# Altium PCB 10X SD CARD READER PCB.PcbDoc (part 2 of 4) (continued)
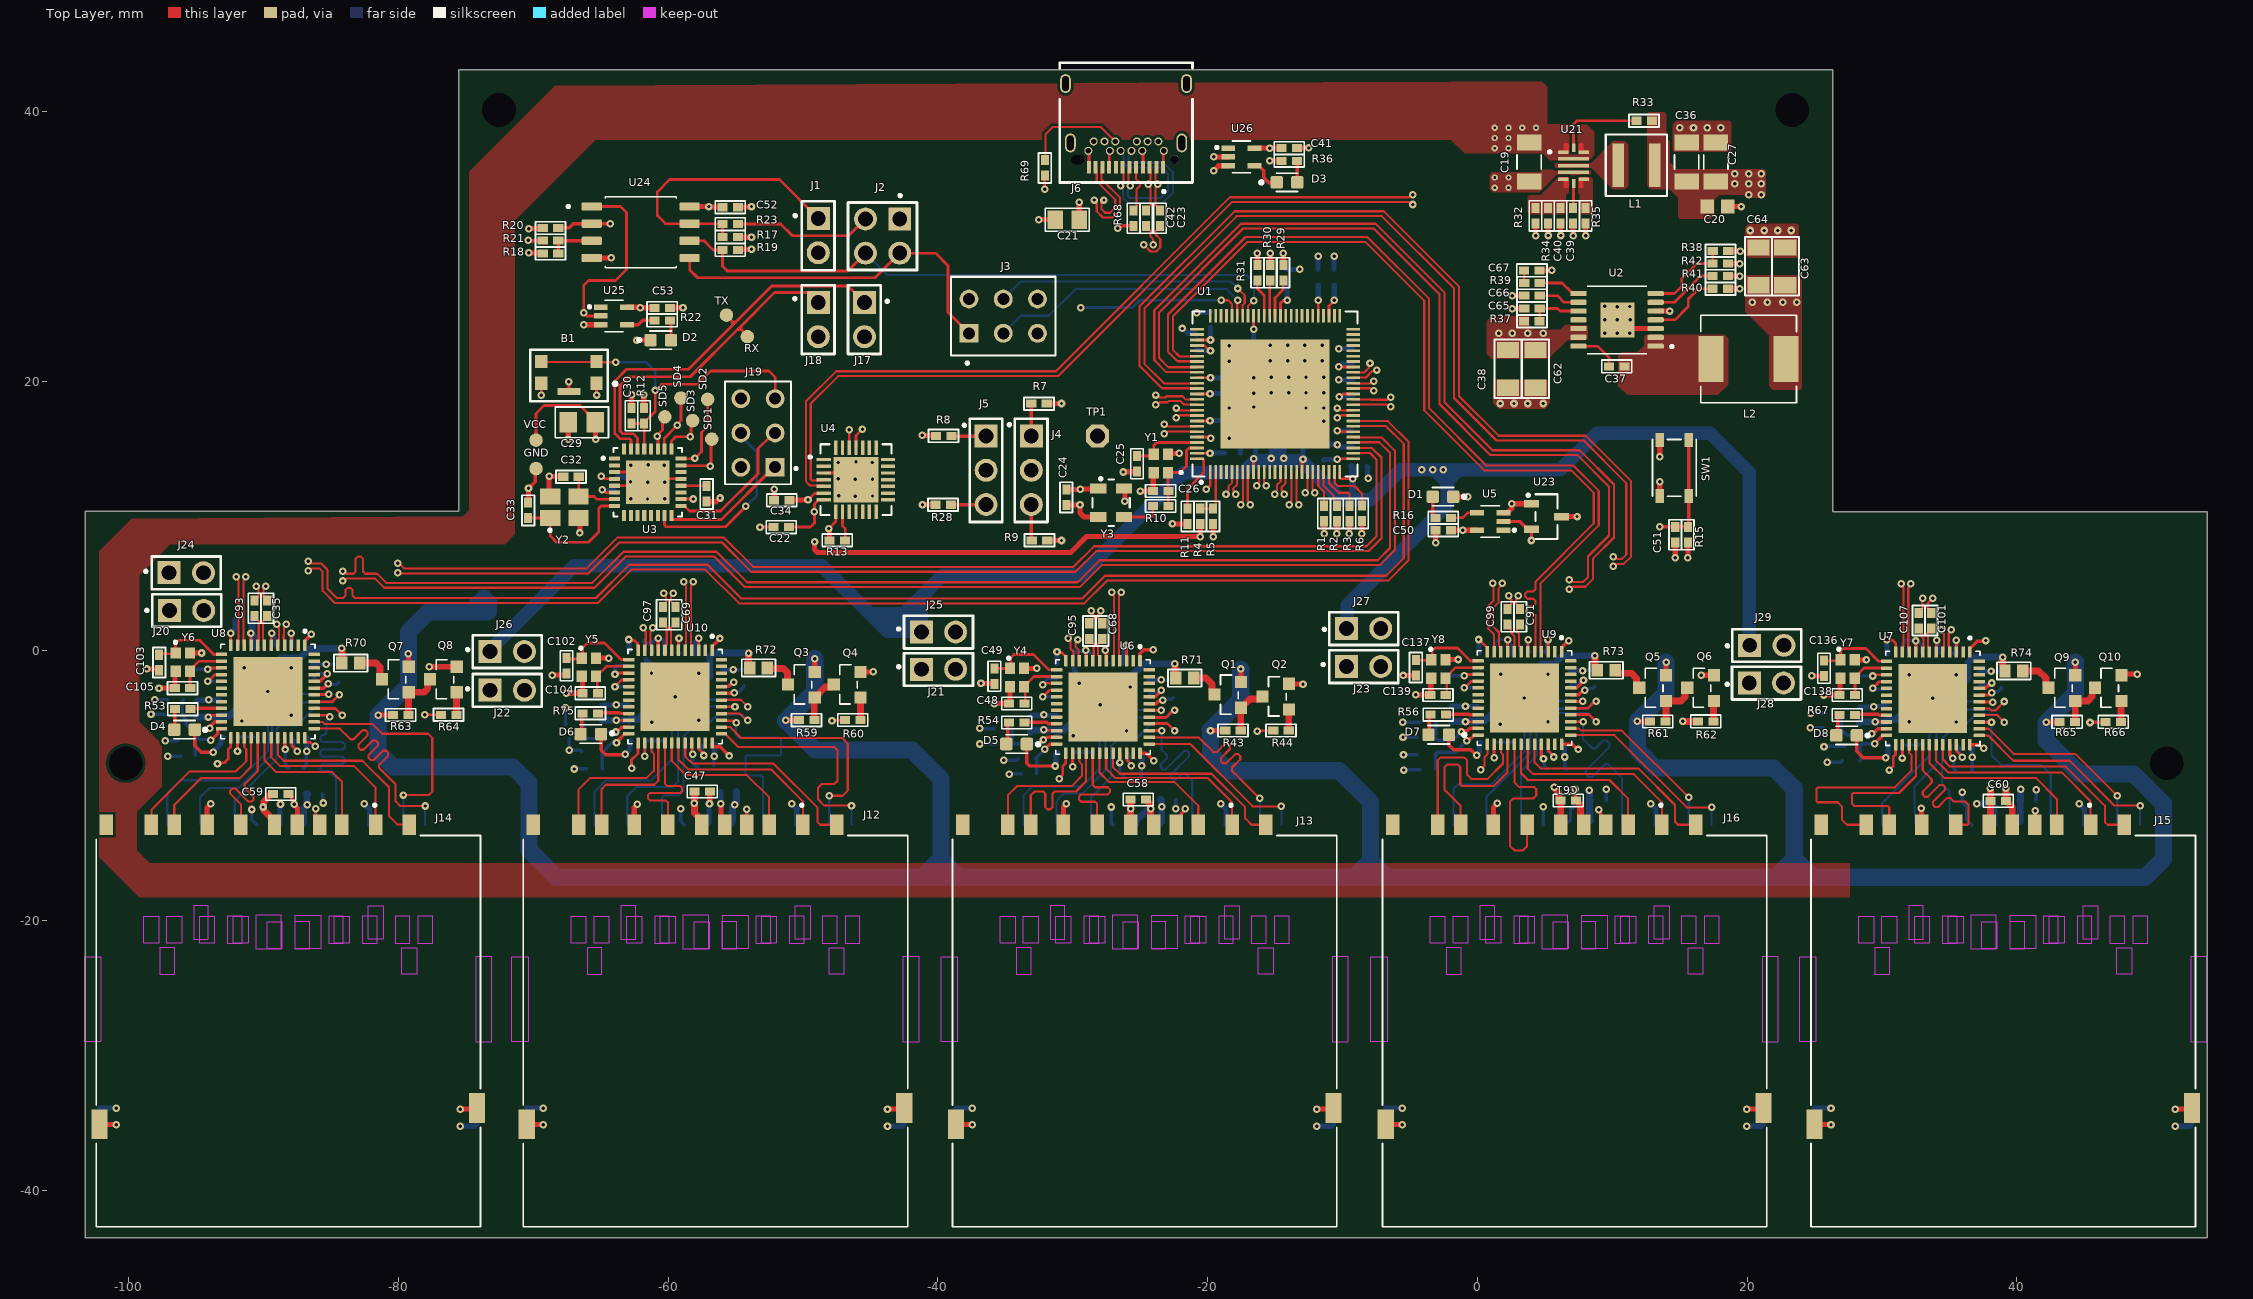
[diagram p0: Top Layer view]
## Nets (pads, with @x,y where several pads share a name; then routed paths per layer and width w, separated by ;. In a path a pad name is that pad's centre, name@x,y a point inside that pad or via, vN(x,y) a via of type N, cw(c..) or ccw(c..) an arc to the next point about the centre after c; other vN are vias at no path point) (continued)
  Bottom Layer w0.381: J9.G2@-102.167,-33.9 -102.158,-33.909 v1(-100.94,-33.909) ; C57.1@-95.501,-0.136 -95.487,-0.15 -94.617,-0.15 v1(-94.603,-0.163) ; C92.1@-94.993,-3.717 -94.942,-3.666 -94.088,-3.666 v1(-94.054,-3.632) -94.02,-3.666 -93.266,-3.666 C90.1@-93.215,-3.717 ; v1(-93.739,-7.515) -93.739,-7.467 -93.165,-6.893 -93.165,-6.558 -93.056,-6.449 C81.1@-92.981,-6.449 ; v1(-92.431,1.302) -92.431,1.35 -92.118,1.663 C79.1@-92.118,2.352 ; R24.1@-91.875,-2.256 -91.8,-2.256 -91.69,-2.147 -91.69,-1.569 -91.437,-1.316 v1(-91.437,-1.267) -91.389,-1.267 -91.313,-1.192 -90.613,-1.192 -90.503,-1.082 C80.1@-90.503,-1.007 ; v1(-91.618,-5.207) -91.601,-5.224 -90.692,-5.224 C78.1@-90.675,-5.241 ; J9.3@-88.842,-12.9 -88.748,-12.806 -88.782,-12.772 -88.782,-11.413 v1(-88.748,-11.379) ; C54.1@-87.944,0.327 -87.94,0.33 -87.94,1.302 v1(-87.937,1.306) ; v1@-87.753,-11.358 v1(-87.732,-11.379) ; C56.1@-86.801,-6.426 -86.794,-6.433 -86.794,-7.435 v1(-86.787,-7.442) ; C55.1@-86.37,-1.031 -86.359,-1.019 -85.379,-1.019 v1(-85.367,-1.007) ; v1(-82.525,-11.345) -82.142,-11.728 J9.6@-82.142,-12.9 ; v1(-75.413,-35.255) -74.322,-35.255 J9.G1@-74.167,-35.1 ; J7.G2@-70.49,-33.9 -70.482,-33.909 v1(-69.263,-33.909) ; C100.1@-64.894,-4.033 -64.884,-4.023 -63.867,-4.023 v1(-63.857,-4.013) -63.847,-4.023 -62.9,-4.023 C98.1@-62.89,-4.033 ; C28.2@-63.833,12.843 -63.798,12.878 -63.183,12.878 -62.841,12.536 v1(-62.793,12.536) ; v1(-63.17,-7.671) -63.17,-7.623 -62.845,-7.298 -62.845,-6.759 C89.1@-62.754,-6.668 ; v1(-62.923,0.838) -62.918,0.833 -62.918,0.011 C74.1@-62.912,0.006 ; R25.1@-61.649,-2.637 -61.574,-2.637 -61.464,-2.528 -61.464,-2.453 -61.239,-2.228 v1(-61.239,-1.648) -61.239,-1.068 -61.462,-0.845 -61.536,-0.845 -61.646,-0.735 C86.1@-61.646,-0.66 ; v1(-61.233,-5.295) -61.199,-5.329 -60.474,-5.329 -60.365,-5.439 C87.1@-60.365,-5.495 ; C88.1@-60.343,-1.388 -60.343,-2.497 -59.489,-3.35 v1(-59.489,-3.398) ; C75.1@-57.935,-0.216 -58.014,-0.137 -58.014,0.602 -57.739,0.876 v1(-57.739,0.925) ; J7.3@-57.165,-12.9 -56.971,-12.706 -56.971,-11.365 v1(-56.937,-11.331) ; v1(-56.59,-7.823) -56.582,-7.816 -56.582,-6.919 C76.1@-56.575,-6.912 ; v1(-56.109,-11.328) -56.091,-11.311 -56.091,-10.453 C106.1@-56.074,-10.436 ; C77.1@-56.004,-1.431 -55.982,-1.41 -55.191,-1.41 v1(-55.169,-1.388) ; v1(-50.848,-11.345) -50.465,-11.728 J7.6@-50.465,-12.9 ; v1(-43.736,-35.255) -42.645,-35.255 J7.G1@-42.49,-35.1 ; J8.G2@-38.667,-33.9 -38.658,-33.909 v1(-37.44,-33.909) ; C94.1@-33.144,-4.86 -33.06,-4.776 -32.169,-4.776 v1(-32.135,-4.742) ; v1@-32.135,-4.775 -32.101,-4.809 -31.163,-4.809 C96.1@-31.112,-4.86 ; v1(-31.293,-8.54) -31.259,-8.506 -31.259,-7.666 -31.149,-7.557 C84.1@-31.115,-7.557 ; C71.1@-31.185,-0.923 -31.178,-0.916 -31.178,-0.09 v1(-31.17,-0.083) ; R14.1@-30.026,-3.399 -29.951,-3.399 -29.841,-3.29 -29.841,-3.215 -29.552,-2.926 -29.552,-2.444 v1(-29.518,-2.41) -29.518,-2.362 -29.786,-2.094 -29.786,-1.481 C82.1@-29.896,-1.372 ; v1(-29.962,-6.308) -29.928,-6.342 -28.776,-6.342 C83.1@-28.734,-6.384 ; C85.1@-28.527,-2.111 -28.527,-3.385 -27.954,-3.958 v1(-27.954,-4.007) ; C70.1@-26.213,-0.939 -26.213,0.176 -26.028,0.361 v1(-26.028,0.409) ; v1(-24.879,-8.528) -24.852,-8.501 -24.852,-7.574 C72.1@-24.825,-7.547 ; C73.1@-24.381,-2.193 -24.359,-2.172 -23.469,-2.172 v1(-23.448,-2.15) ; v1(-21.869,23.901) -21.821,23.901 -21.463,23.543 -20.908,23.543 C3.1@-20.825,23.461 ; v1(-20.793,25.07) -20.772,25.091 -19.872,25.091 -19.851,25.07 C10.1@-19.809,25.112 ; v1(-19.025,-11.345) -18.642,-11.728 J8.6@-18.642,-12.9 ; v1(-18.39,15.774) -17.792,15.774 -17.569,15.551 -17.569,14.695 C1.1@-17.586,14.678 ; v1(-18.39,18.003) -17.792,18.003 -17.562,17.773 -17.562,17.115 C9.1@-17.586,17.091 ; C2.1@-17.586,19.145 -17.562,19.121 -16.593,19.121 v1(-16.569,19.097) ; C14.2@-17.582,20.221 -17.569,20.234 -16.582,20.234 v1(-16.569,20.247) ; C7.1@-16.611,21.472 -16.598,21.485 -15.368,21.485 v1(-15.356,21.497) ; v1(-16.569,18.076) -16.535,18.042 -16.535,16.472 C15.2@-16.462,16.399 ; v1(-15.266,19.122) -15.266,17.616 -14.882,17.232 C18.1@-14.825,17.232 -14.725,17.232 -14.34,17.616 -14.34,17.716 -14.326,17.731 -14.326,18.726 -13.977,19.074 v1(-13.977,19.122) ; C4.1@-14.13,28.287 v1(-13.183,28.287) ; C16.1@-12.951,16.553 -12.841,16.662 -12.841,17.821 -12.707,17.955 v1(-12.707,18.003) ; v1(-11.913,-35.255) -10.822,-35.255 J8.G1@-10.667,-35.1 ; C13.1@-11.808,28.287 v1(-11.808,29.261) ; C5.1@-11.427,15.333 -11.406,15.312 -10.392,15.312 v1(-10.371,15.292) ; C8.1@-10.623,28.287 v1(-10.623,29.261) ; v1(-10.277,20.108) -10.243,20.074 -9.341,20.074 -9.341,20.108 C11.1@-9.232,19.997 ; v1(-10.262,22.403) -10.258,22.406 -9.256,22.406 -9.253,22.403 C6.1@-9.246,22.41 ; v1@-10.153,15.122 C12.1@-9.315,15.122 ; C17.1@-8.188,13.662 -8.103,13.577 -8.112,13.577 -8.137,13.553 -8.137,12.819 v1(-8.103,12.785) ; J11.G2@-6.79,-33.9 -6.781,-33.909 v1(-5.563,-33.909) ; C109.1@-2.385,-0.669 -2.373,-0.657 -1.44,-0.657 v1(-1.428,-0.645) ; C128.1@-1.902,-4.098 -1.894,-4.106 -0.887,-4.106 v1(-0.879,-4.114) -0.871,-4.122 -0.029,-4.122 C126.1@-0.021,-4.13 ; v1(-0.051,-7.747) -0.051,-7.699 0.157,-7.492 0.157,-6.876 C119.1@0.237,-6.795 ; v1(0.088,0.839) 0.122,0.805 0.122,-0.11 C120.1@0.161,-0.149 ; R26.1@1.151,-2.739 1.226,-2.739 1.704,-2.261 1.704,-1.784 v1(1.738,-1.75) 1.786,-1.75 1.836,-1.7 2.478,-1.7 2.588,-1.59 C118.1@2.588,-1.515 ; v1(1.695,-5.446) 1.73,-5.48 2.456,-5.48 2.565,-5.59 C121.1@2.565,-5.622 ; C108.1@5.043,-0.054 5.095,-0.054 5.204,0.056 5.204,0.789 v1(5.238,0.823) ; C111.1@6.417,-6.912 6.447,-6.942 6.447,-7.844 v1(6.477,-7.874) ; C110.1@6.882,-1.431 6.911,-1.46 7.779,-1.46 v1(7.8,-1.481) ; v1(12.852,-11.345) 13.235,-11.728 J11.6@13.235,-12.9 ; v1(19.964,-35.255) 21.055,-35.255 J11.G1@21.21,-35.1 ; J10.G2@24.995,-33.9 25.004,-33.909 v1(26.222,-33.909) ; C113.1@27.867,-0.72 27.891,-0.696 28.83,-0.696 v1(28.854,-0.671) ; C132.1@28.324,-4.225 28.381,-4.168 29.369,-4.168 v1(29.403,-4.134) ; v1@29.403,-4.14 30.314,-4.14 C130.1@30.356,-4.098 ; v1(30.277,-7.925) 30.277,-7.877 30.442,-7.712 30.442,-7.018 C123.1@30.474,-6.986 ; v1(30.37,0.813) 30.379,0.804 30.379,-0.217 C124.1@30.387,-0.226 ; R27.1@31.696,-2.856 31.69,-2.85 31.69,-2.108 32.021,-1.778 v1(32.021,-1.775) 32.069,-1.775 32.272,-1.573 32.831,-1.573 32.941,-1.463 C122.1@32.941,-1.388 ; v1(32.021,-5.275) 32.055,-5.309 32.444,-5.309 32.809,-5.674 C125.1@32.809,-5.749 ; C112.1@35.373,-0.181 35.411,-0.181 35.521,-0.071 35.487,-0.071 35.487,0.764 v1(35.521,0.798) ; C114.1@36.643,-7.039 36.673,-7.069 36.673,-7.87 v1(36.703,-7.899) ; C115.1@37.211,-1.555 C115.1@37.214,-1.558 37.257,-1.515 37.279,-1.537 38.069,-1.537 v1(38.09,-1.515) ; v1(44.637,-11.345) 45.02,-11.728 J10.6@45.02,-12.9 ; v1(51.749,-35.255) 52.84,-35.255 J10.G1@52.995,-35.1
  Bottom Layer w0.508: J8.3@-25.342,-12.9 -25.342,-12.65 -24.452,-11.76 v1@-24.257,-11.76 ; v1(37.033,-11.328) 38.1,-11.328 38.32,-11.549 J10.3@38.32,-12.9
  other v1: -26.018,-5.915 35.521,-5.28 5.238,-5.254 -57.739,-5.153 -87.937,-4.772 33.771,-3.525 3.488,-3.5 -89.687,-3.017 -25.727,-2.683 35.521,-1.775 5.238,-1.75 -57.739,-1.648 -87.937,-1.267 -61.536,11.256 -62.77,11.279 -60.256,11.267 -47.364,11.493 -46.13,11.471 -44.85,11.482 -61.527,12.503 -46.122,12.717 -44.85,12.727 -60.279,13.747 -61.479,13.792 -47.375,13.961 -44.873,13.961 -46.073,14.007 -11.401,17.022 -11.401,18.003 1.702,18.339 2.718,18.339 3.734,18.339 4.877,18.339 -12.707,19.122 -11.401,19.122 -15.266,20.272 -13.977,20.272 -12.707,20.272 -11.401,20.272 -18.39,21.472 -14.066,21.497 -12.796,21.497 -11.49,21.497 -18.39,22.622 -15.356,22.647 -14.066,22.647 -12.796,22.647 -11.49,22.647 9.438,23.553 10.364,23.553 11.303,23.562 9.435,24.55 11.323,24.562 10.383,25.51 9.446,25.536 11.316,25.532 20.244,31.166 21.26,31.166 22.276,31.166 23.292,31.166 15.011,38.786 16.027,38.786 17.043,38.786 18.059,38.786
  other v2: 1.295,34.339 2.311,34.339 1.295,35.101 2.311,35.101
H1: J3.3 J4.2 | length 11.2
  Int2 Sig1 w0.203: J4.2@-33.075,13.386 -31.623,14.838 -31.623,17.602 -32.614,18.593 J3.3@-32.614,23.546
H2: J3.6 J5.2 | length 14.3
  Int2 Sig1 w0.203: J5.2@-36.424,13.386 -34.722,15.088 -34.722,20.396 -33.788,21.33 -33.788,24.912 J3.6@-32.614,26.086
LED1: R53.2 U8.21 | length 2.3
  Top Layer w0.254: R53.2@-95.402,-4.318 -95.358,-4.273 -93.122,-4.273 U8.21@-93.119,-4.27
LED2: R54.2 U6.21 | length 2.4
  Top Layer w0.254: R54.2@-33.569,-5.32 -33.55,-5.301 -31.915,-5.301 -31.806,-5.41 -31.203,-5.41 U6.21@-31.2,-5.413
LED3: R75.2 U10.21 | length 2.4
  Top Layer w0.254: R75.2@-65.253,-4.699 -65.143,-4.59 -63.625,-4.59 -63.566,-4.648 -62.924,-4.648 U10.21@-62.921,-4.651
LED4: R56.2 U9.21 | length 2.4
  Top Layer w0.254: R56.2@-2.286,-4.877 -2.19,-4.877 -2.004,-4.691 -0.648,-4.691 -0.589,-4.75 0.053,-4.75 U9.21@0.056,-4.753
LED5: R67.2 U7.21 | length 2.4
  Top Layer w0.254: R67.2@28.016,-4.801 28.1,-4.717 29.254,-4.717 29.277,-4.693 29.74,-4.693 29.822,-4.775 30.336,-4.775 U7.21@30.339,-4.778
MISO: J19.1 U3.16 | length 9.4
  Top Layer w0.203: U3.16@-59.766,10.033 -59.766,9.784 -59.715,9.733 -56.053,9.733 J19.1@-52.248,13.538
MOSI: J19.4 U3.15 | length 13.3
  Top Layer w0.203: U3.15@-60.274,10.033 -60.274,9.321 -60.155,9.202 -55.759,9.202 v1(-54.251,10.71)
  Bottom Layer w0.203: J19.4@-54.534,15.824 -53.429,14.72 -53.429,11.532 v1(-54.251,10.71)
NetC31_2: C31.2 U3.20 | length 1.9
  Top Layer w0.203: U3.20@-59.055,12.243 -57.182,12.243 C31.2@-57.147,12.208
NetC34_1: C34.1 U4.6 | length 2.8
  Top Layer w0.203: v1(-49.632,11.187) -49.157,11.662 -48.476,11.662 U4.6@-48.45,11.687
  Top Layer w0.381: C34.1@-51.003,11.165 -50.992,11.176 -49.643,11.176 v1(-49.632,11.187)
NetC35_2: C35.2 U8.7 | length 2.4
  Top Layer w0.158: U8.7@-89.934,0.415 -89.934,0.705 -90.045,0.815 -90.045,2.183 -89.923,2.304 -89.901,2.304 -89.662,2.543 C35.2@-89.662,2.565
NetC37_1: C37.1 L2.1 U2.1 U2.2
NetC37_2: C37.2 U2.14 | length 3.3
  Top Layer w0.203: U2.14@7.504,22.593 8.908,22.593 9.761,21.74 C37.2@9.761,21.092
NetC39_1: C39.1 U21.6 | length 1.8
  Top Layer w0.203: C39.1@7.101,32.824 7.136,32.859 U21.6@7.136,34.651
NetC40_2: C40.2 R32.1 R34.2 U21.5
NetC54_2: C54.2 C55.2 C56.2 C57.2 J20.2 U8.6 U8.15 U8.25 U8.34 U8.44 | length 18.7
  Top Layer w0.203: v1(-94.142,-1.358) -94.054,-1.27 U8.15@-93.119,-1.27 ; v1(-93.419,-8.367) -93.351,-8.299 -92.89,-8.299 -92.625,-8.034 -92.625,-7.306 -92.444,-7.126 -92.444,-6.466 U8.25@-92.434,-6.455 ; U8.6@-89.434,0.415 -89.434,1.266 v1(-89.396,1.303) ; U8.34@-87.934,-6.455 -87.906,-6.484 -87.906,-7.041 -87.498,-7.448 v1(-87.498,-7.46)
  Top Layer w0.254: U8.44@-86.249,-2.27 -86.246,-2.267 -85.82,-2.267 -85.289,-1.737 v1(-85.289,-1.714) v1@-85.28,-1.724
  Int2 Sig1 w0.508: J20.2@-94.437,2.997 -94.38,2.94 -94.38,1.683 -95.936,0.127 -95.936,-0.889 -95.466,-1.358 v1(-94.142,-1.358)
  Bottom Layer w0.254: C57.2@-95.501,-1.286 -95.428,-1.358 v1(-94.142,-1.358) v1@-94.074,-1.29 ; v1(-89.396,1.303) -89.396,1.207 -89.129,0.94 -89.129,0.362 C54.2@-89.094,0.327 ; C56.2@-87.951,-6.426 -87.941,-6.426 -87.768,-6.599 -87.768,-7.107 -87.498,-7.377 v1(-87.498,-7.46) ; C55.2@-86.37,-2.181 -86.197,-2.008 -86.197,-1.874 -86.038,-1.714 v1(-85.289,-1.714)
NetC65_2: C65.2 R37.1 U2.10 | length 3.9
  Top Layer w0.203: R37.1@4.623,24.435 4.626,24.438 C65.2@4.626,25.378 5.952,25.378 6.137,25.193 U2.10@7.504,25.193
NetC66_2: C66.2 U2.9 | length 3.1
  Top Layer w0.203: C66.2@4.626,26.338 5.939,26.338 6.433,25.843 U2.9@7.504,25.843
NetC67_2: C67.2 R39.1 | length 0.9
  Top Layer w0.203: C67.2@3.467,28.211 3.475,28.203 R39.1@3.475,27.267
NetC68_2: C68.2 U6.7 | length 1.7
  Top Layer w0.158: U6.7@-28.015,-0.728 -28.015,-0.438 -28.127,-0.326 -28.127,0.503 -27.965,0.664 C68.2@-27.965,0.813
NetC69_2: C69.2 U10.7 | length 1.8
  Top Layer w0.158: U10.7@-59.792,0.393 -59.792,1.052 -59.787,1.056 -59.787,1.717 -59.694,1.81 -59.685,1.81 -59.639,1.856 C69.2@-59.639,2.083 ; U10.7@-59.787,0.084 U10.7@-59.736,0.034
NetC70_2: C70.2 C71.2 C72.2 C73.2 J21.2 U6.6 U6.15 U6.25 U6.34 U6.44 | length 17.8
  Top Layer w0.203: v1(-32.223,-2.501) -32.135,-2.413 U6.15@-31.2,-2.413 ; v1(-30.993,-9.474) -30.993,-9.436 -30.734,-9.177 -30.734,-8.548 -30.525,-8.339 -30.525,-7.609 U6.25@-30.515,-7.598 ; v1(-27.602,0.052) -27.543,-0.007 -27.543,-0.7 U6.6@-27.515,-0.728 ; U6.34@-26.015,-7.598 -25.986,-7.627 -25.986,-8.091 -25.66,-8.417 v1(-25.66,-8.513)
  Top Layer w0.254: U6.44@-24.33,-3.413 -24.327,-3.41 -23.904,-3.41 -23.817,-3.323 -23.813,-3.323 -23.429,-2.939 v1(-23.429,-2.933) v1@-23.375,-2.987
  Int2 Sig1 w0.508: J21.2@-38.684,-1.372 -34.976,-1.372 -33.846,-2.501 v1(-32.223,-2.501)
  Bottom Layer w0.254: v1(-32.223,-2.501) -32.223,-2.445 -31.852,-2.073 C71.2@-31.185,-2.073 C71.2@-31.232,-2.12 ; v1(-27.602,0.052) -27.543,-0.006 -27.543,-0.766 -27.37,-0.939 C70.2@-27.363,-0.939 ; C72.2@-25.975,-7.547 -25.863,-7.659 -25.863,-8.228 -25.66,-8.431 v1(-25.66,-8.513) ; C73.2@-24.381,-3.343 -24.381,-3.295 -24.208,-3.122 -23.7,-3.122 -23.512,-2.933 v1(-23.429,-2.933)
NetC74_2: C74.2 C75.2 C76.2 C77.2 J22.2 U10.6 U10.15 U10.25 U10.34 U10.44 | length 18.4
  Top Layer w0.203: v1(-63.945,-1.739) -63.857,-1.651 U10.15@-62.921,-1.651 ; v1(-62.714,-8.712) -62.714,-8.079 -62.246,-7.611 -62.246,-6.847 U10.25@-62.236,-6.836 ; U10.6@-59.236,0.034 -59.236,0.885 v1(-59.198,0.922) ; U10.34@-57.736,-6.836 -57.708,-6.865 -57.708,-7.317 -57.357,-7.668 v1(-57.357,-7.764)
  Top Layer w0.254: U10.44@-56.051,-2.651 -56.048,-2.648 -55.538,-2.648 -55.226,-2.337 -55.061,-2.337 v1@-54.987,-2.262
  Int2 Sig1 w0.508: J22.2@-70.663,-2.921 -68.555,-2.921 -67.373,-1.739 -63.968,-1.739 -63.957,-1.75 v1@-63.957,-1.753
  Bottom Layer w0.254: v1(-63.945,-1.739) -63.945,-1.176 -63.861,-1.092 -62.964,-1.092 C74.2@-62.912,-1.144 ; v1(-59.198,0.922) -59.198,-0.102 C75.2@-59.085,-0.216 ; C76.2@-57.725,-6.912 -57.65,-6.912 -57.477,-7.085 -57.477,-7.562 -57.357,-7.681 v1(-57.357,-7.764) ; C77.2@-56.004,-2.581 -55.969,-2.616 -55.433,-2.616 -55.154,-2.337 v1(-55.143,-2.337)
NetC78_2: C78.2 C79.2 C80.2 C81.2 J24.2 U8.9 U8.26 | length 25
  Top Layer w0.203: v1(-91.936,-7.442) -91.934,-7.44 U8.26@-91.934,-6.455 ; v1(-90.936,1.306) -90.934,1.303 U8.9@-90.934,0.415
  Int2 Sig1 w0.508: J24.2@-94.463,5.791 -90.932,2.261 v1@-90.932,1.372 ; v1(-91.936,-7.442) -91.936,-6.052 -93.16,-4.828 -93.16,-0.919 v1(-90.936,1.306)
  Bottom Layer w0.254: v1(-91.936,-7.442) -91.936,-6.554 C81.2@-91.831,-6.449 -91.773,-6.391 C78.2@-90.675,-6.391 ; C79.2@-90.968,2.352 -90.936,2.321 v1(-90.936,1.306) -90.869,1.306 -90.856,1.292 -90.503,0.94 -90.503,0.206 C80.2@-90.503,0.143
  Bottom Layer w0.508: v1(-90.936,1.306) -90.936,1.292 -90.549,0.905 -90.549,0.252 -90.503,0.206 C80.2@-90.5,0.203 ; v1@-90.856,1.245 -90.856,1.292 C79.2@-90.856,2.352
NetC82_2: C82.2 C83.2 C84.2 C85.2 J25.2 U6.9 U6.26 | length 27.5
  Top Layer w0.203: v1(-30.017,-8.585) -30.015,-8.583 U6.26@-30.015,-7.598 ; v1(-29.026,0.034) -29.02,0.029 -29.02,-0.723 U6.9@-29.015,-0.728
  Int2 Sig1 w0.508: J25.2@-38.455,1.169 -38.134,1.169 -33.782,1.168 -31.445,-1.168 -30.912,-1.168 -29.709,0.034 -28.943,0.034 -28.471,-0.438 -28.471,-2.944 -30.709,-5.182 -30.709,-7.893 v1(-30.017,-8.585)
  Bottom Layer w0.254: v1(-30.017,-8.585) -30.017,-7.609 C84.2@-29.965,-7.557 -29.942,-7.534 C83.2@-28.734,-7.534 ; C82.2@-29.948,0.026 C82.2@-29.845,-0.076 ; C82.2@-29.896,-0.222 C82.2@-29.896,-0.197 ; C82.2@-29.896,-0.147 C82.2@-29.896,-0.197 ; C85.2@-28.527,-0.961 -28.527,-0.33 -28.833,-0.024 -28.967,-0.024 v1(-29.026,0.034) -29.084,-0.024 -29.723,-0.024 C82.2@-29.896,-0.197
NetC86_2: C86.2 C87.2 C88.2 C89.2 J26.2 U10.9 U10.26 | length 29
  Top Layer w0.203: v1(-61.738,-7.823) -61.736,-7.821 U10.26@-61.736,-6.836
  Top Layer w0.254: U10.9@-60.736,0.034 -60.738,0.035 -60.738,0.857 v1@-60.731,0.864
  Int2 Sig1 w0.508: J26.2@-70.663,-0.051 -67.285,-0.051 -66.116,1.118 -64.541,1.118 -63.322,-0.102 -62.382,-0.102 -61.366,0.914 -60.763,0.914 v1@-60.757,0.915 ; v1(-61.738,-7.823) -62.493,-7.068 -62.493,-3.958 -59.865,-1.331 -59.865,0.051 v1(-60.739,0.925)
  Bottom Layer w0.254: C86.2@-61.819,0.738 -61.819,0.663 C86.2@-61.646,0.49 -61.571,0.565 -61.211,0.565 -60.851,0.925 v1(-60.739,0.925) -60.659,0.845 -60.447,0.845 -60.343,0.741 C88.2@-60.343,-0.238 ; v1(-61.738,-7.823) -61.738,-6.802 C89.2@-61.604,-6.668 -60.387,-6.668 C87.2@-60.365,-6.645
NetC90_2: C90.2 C92.2 R70.2 U8.22 | length 15.3
  Top Layer w0.203: v1(-94.09,-4.91) -93.994,-4.91 -93.855,-4.77 U8.22@-93.119,-4.77
  Top Layer w0.254: v1(-84.201,0.178) v1@-84.194,0.171
  Top Layer w0.508: R70.2@-84.194,-0.906 v1@-84.194,0.171
  Bottom Layer w0.508: C92.2@-94.993,-4.867 -94.96,-4.9 -94.1,-4.9 v1(-94.09,-4.91) -94.081,-4.9 -93.248,-4.9 -93.18,-4.832 -92.513,-4.832 -90.526,-2.845 -90.526,-2.337 -88.703,-0.514 -87.28,-0.514 -86.589,0.178 v1(-84.201,0.178)
NetC91_2: C91.2 U9.7 | length 2.1
  Top Layer w0.156: C91.2@3.176,1.943 3.176,1.868 2.946,1.638 2.946,1.376 3.102,1.22 3.102,0.362 3.189,0.274 3.189,0.087 U9.7@3.2,0.076
NetC93_2: C93.2 U8.8 | length 2.3
  Top Layer w0.158: C93.2@-90.667,2.583 -90.667,2.508 -90.357,2.199 -90.357,0.782 -90.434,0.705 U8.8@-90.434,0.415
NetC94_2: C94.2 C96.2 R71.2 U6.22 | length 16.2
  Top Layer w0.203: v1(-32.147,-5.86) -32.12,-5.887 -31.226,-5.887 U6.22@-31.2,-5.913
  Top Layer w0.254: R71.2@-22.43,-1.946 R71.2@-22.349,-2.027
  Top Layer w0.508: R71.2@-22.43,-1.946 v1(-22.43,-0.962)
  Bottom Layer w0.508: C94.2@-33.144,-6.01 -33.144,-5.935 -33.098,-5.889 -32.19,-5.889 -32.16,-5.86 v1(-32.147,-5.86) ; v1@-32.272,-5.867 -31.703,-5.867 -31.682,-5.889 -31.158,-5.889 C96.2@-31.112,-5.935 ; v1(-22.43,-0.962) -24.721,-0.962 -25.599,-1.84 -26.321,-1.84 -26.886,-2.404 -26.886,-3.969 -27.87,-4.953 -29.718,-4.953 -30.654,-5.889 -31.066,-5.889 C96.2@-31.112,-5.935 ; C96.2@-31.112,-5.935 C96.2@-31.112,-6.01 C96.2@-31.112,-5.935
NetC95_2: C95.2 U6.8 | length 1.6
  Top Layer w0.158: C95.2@-28.677,0.716 -28.441,0.48 -28.441,-0.364 -28.515,-0.438 U6.8@-28.515,-0.728
NetC97_2: C97.2 U10.8 | length 2.4
  Top Layer w0.158: C97.2@-60.394,2.105 C97.2@-60.3,2.011 ; C97.2@-60.3,2.032 C97.2@-60.3,2.011 ; U10.8@-60.236,0.034 -60.236,0.324 -60.102,0.457 -60.102,1.739 -60.3,1.936 C97.2@-60.3,2.011 ; C97.2@-60.173,1.885 C97.2@-60.3,2.011
NetC98_2: C98.2 C100.2 R72.2 U10.22 | length 15.9
  Top Layer w0.203: v1(-63.857,-5.148) -63.854,-5.151 U10.22@-62.921,-5.151
  Top Layer w0.508: v1(-54.043,-0.168) -54.033,-0.178 -54.033,-1.186 R72.2@-53.948,-1.271
  Bottom Layer w0.508: C100.2@-64.894,-5.183 -64.859,-5.148 v1(-63.857,-5.148) -62.924,-5.148 C98.2@-62.89,-5.183 -62.89,-5.136 -62.844,-5.09 -62.246,-5.09 -61.525,-4.369 -59.387,-4.369 -56.921,-1.903 -56.921,-0.465 -56.624,-0.167 v1(-54.043,-0.168)
NetC99_2: C99.2 U9.8 | length 2
  Top Layer w0.156: C99.2@2.241,1.948 2.462,1.726 2.462,1.594 2.497,1.559 2.497,1.355 2.749,1.103 U9.8@2.749,0.158
NetC101_2: C101.2 U7.7 | length 2
  Top Layer w0.156: U7.7@33.524,-0.093 33.524,0.197 33.405,0.315 33.405,1.072 33.328,1.149 33.328,1.279 33.419,1.371 33.438,1.371 33.659,1.592 C101.2@33.659,1.667
NetC107_2: C107.2 U7.8 | length 1.6
  Top Layer w0.156: C107.2@32.73,1.667 32.952,1.446 32.952,1.056 33.096,0.912 U7.8@33.096,0.203
NetC108_2: C108.2 C109.2 C110.2 C111.2 J23.2 U9.6 U9.15 U9.25 U9.34 U9.44 | length 18.3
  Top Layer w0.156: v1(0.263,-8.813) 0.263,-8.791 0.533,-8.521 0.533,-7.899 0.741,-7.692 U9.25@0.741,-6.938
  Top Layer w0.203: v1(-0.967,-1.841) -0.879,-1.753 U9.15@0.056,-1.753 ; U9.6@3.741,-0.068 3.741,0.783 v1(3.779,0.821) ; U9.34@5.241,-6.938 5.27,-6.966 5.27,-7.442 5.664,-7.837 v1(5.664,-7.874)
  Top Layer w0.254: U9.44@6.926,-2.753 6.929,-2.75 7.355,-2.75 7.872,-2.233 v1(7.872,-2.189)
  Int2 Sig1 w0.508: J23.2@-7.163,-1.168 -6.915,-1.168 -5.899,-0.152 -3.861,-0.152 -2.21,-1.803 v1@-0.991,-1.803
  Bottom Layer w0.254: C109.2@-2.385,-1.819 -2.363,-1.841 v1(-0.967,-1.841) ; v1(3.779,0.821) 3.779,0.06 C108.2@3.893,-0.054 ; C111.2@5.267,-6.912 5.267,-7.477 v1(5.664,-7.874) ; C110.2@6.882,-2.581 7.024,-2.439 7.563,-2.439 7.813,-2.189 v1(7.872,-2.189)
NetC112_2: C112.2 C113.2 C114.2 C115.2 J28.2 U7.6 U7.15 U7.25 U7.34 U7.44 | length 18.7
  Top Layer w0.203: v1(29.315,-1.866) 29.403,-1.778 U7.15@30.339,-1.778 ; v1(30.545,-8.839) 30.545,-8.833 30.836,-8.542 30.836,-7.882 31.013,-7.704 31.013,-6.974 U7.25@31.024,-6.963 ; U7.6@34.024,-0.093 34.024,0.758 v1(34.061,0.795) ; U7.34@35.524,-6.963 35.552,-6.992 35.552,-7.462 35.962,-7.872 v1(35.962,-7.897)
  Top Layer w0.254: U7.44@37.209,-2.778 37.212,-2.775 37.68,-2.775 38.068,-2.388 v1(38.151,-2.388) v1@38.203,-2.44
  Int2 Sig1 w0.508: J28.2@22.708,-2.388 24.257,-0.838 26.137,-0.838 27.165,-1.866 29.299,-1.866 v1@29.312,-1.854
  Bottom Layer w0.254: C113.2@27.867,-1.87 27.871,-1.866 v1(29.315,-1.866) ; v1(34.061,0.795) 34.061,0.713 34.223,0.551 C112.2@34.223,-0.181 ; C114.2@35.493,-7.039 35.568,-7.039 35.741,-7.212 35.741,-7.617 35.962,-7.838 v1(35.962,-7.897) ; C115.2@37.214,-2.708 37.214,-2.638 37.387,-2.465 37.991,-2.465 38.068,-2.388 v1(38.151,-2.388)
NetC116_2: C116.2 U8.43 | length 2.1
  Top Layer w0.254: U8.43@-86.249,-2.77 -85.549,-2.77 -85.225,-2.447 v1(-85.209,-2.447)
  Int1_GND1 w0.254: v1(-85.209,-2.447) v1@-85.209,-2.421
  Bottom Layer w0.254: v1(-85.209,-2.447) -85.155,-2.5 -84.618,-2.5 -84.474,-2.356 -84.45,-2.356 -84.43,-2.336 C116.2@-84.43,-2.311
NetC117_2: C117.2 U6.43 | length 2
  Top Layer w0.254: U6.43@-24.33,-3.913 -24.327,-3.91 -23.83,-3.91 -23.653,-3.734 -23.389,-3.734 v1(-23.331,-3.675)
  Bottom Layer w0.254: v1(-23.331,-3.675) -23.248,-3.675 -23.155,-3.582 -22.649,-3.582 -22.555,-3.488 C117.2@-22.555,-3.48
NetC118_2: C118.2 C119.2 C120.2 C121.2 J27.2 U9.9 U9.26 | length 28.5
  Top Layer w0.203: v1(1.241,-7.922) U9.26@1.241,-6.938 ; v1(2.239,0.823) 2.241,0.821 U9.9@2.241,-0.068
  Int2 Sig1 w0.508: J27.2@-7.163,1.651 -5.182,1.651 -4.115,2.718 0.345,2.718 3.175,-0.113 3.175,-2.184 0.533,-4.826 0.533,-7.214 v1(1.241,-7.922)
  Bottom Layer w0.203: v1(1.241,-7.922) 1.241,-6.941 1.41,-6.772 C121.2@2.565,-6.772 ; C120.2@1.311,-0.149 1.321,-0.14 1.321,0.584 1.56,0.823 v1(2.239,0.823) ; v1@2.21,0.853 v1(2.239,0.823) ; C118.2@2.588,-0.365 2.565,-0.343 2.565,0.432 2.239,0.758 v1(2.239,0.823)
NetC122_2: C122.2 C123.2 C124.2 C125.2 J29.2 U7.9 U7.26 | length 28.1
  Top Layer w0.203: v1(31.521,-7.95) 31.524,-7.948 U7.26@31.524,-6.963 ; v1(32.514,0.729) 32.519,0.725 32.519,-0.089 U7.9@32.524,-0.093
  Int2 Sig1 w0.508: J29.2@22.733,0.406 29.337,0.406 29.87,-0.127 30.734,-0.127 31.59,0.729 v1(32.514,0.729) 32.514,0.725 33.249,-0.009 33.249,-1.676 30.455,-4.47 30.455,-6.883 v1(31.521,-7.95)
  Bottom Layer w0.254: v1(31.521,-7.95) 31.521,-7.088 C123.2@31.624,-6.986 32.722,-6.986 C125.2@32.809,-6.899 ; C124.2@31.537,-0.226 31.537,0.575 31.727,0.764 32.479,0.764 v1(32.514,0.729) 32.573,0.671 32.701,0.671 32.941,0.432 C122.2@32.941,-0.238
NetC126_2: C126.2 C128.2 R73.2 U9.22 | length 14.6
  Top Layer w0.203: v1(-0.879,-5.25) -0.876,-5.253 U9.22@0.056,-5.253
  Top Layer w0.508: v1(8.717,-0.364) 8.717,-0.378 8.728,-0.389 8.728,-1.268 R73.2@8.899,-1.439
  Bottom Layer w0.508: C128.2@-1.902,-5.248 -1.901,-5.25 v1(-0.879,-5.25) -0.052,-5.25 C126.2@-0.021,-5.28 ; C126.2@0.152,-5.207 0.533,-5.207 4.75,-0.991 5.715,-0.991 6.342,-0.364 v1(8.717,-0.364)
NetC127_2: C127.2 U10.43 | length 2
  Top Layer w0.254: U10.43@-56.051,-3.151 -55.128,-3.151 v1(-55.096,-3.12)
  Int1_GND1 w0.254: v1@-55.118,-3.142 v1(-55.096,-3.12)
  Bottom Layer w0.254: v1(-55.096,-3.12) -55.038,-3.062 -54.758,-3.062 -54.381,-2.685 C127.2@-54.381,-2.591
NetC129_2: C129.2 U9.43 | length 2
  Top Layer w0.254: U9.43@6.926,-3.253 6.929,-3.25 7.519,-3.25 7.848,-2.92 v1(7.975,-2.92)
  Bottom Layer w0.254: v1(7.975,-2.92) 8.057,-2.92 8.181,-2.797 8.568,-2.797 8.687,-2.678 C129.2@8.687,-2.642
NetC130_2: C130.2 C132.2 R74.2 U7.22 | length 15.2
  Top Layer w0.156: R74.2@38.811,-1.172 R74.2@39.127,-1.488
  Top Layer w0.203: v1(29.509,-5.252) 29.522,-5.265 30.325,-5.265 U7.22@30.339,-5.278
  Top Layer w0.508: R74.2@38.95,-1.033 38.95,-0.472 v1(38.955,-0.468)
  Bottom Layer w0.508: C132.2@28.324,-5.375 28.324,-5.308 28.37,-5.262 29.499,-5.262 v1(29.509,-5.252) ; v1@29.403,-5.275 30.329,-5.275 C130.2@30.356,-5.248 ; C130.2@30.429,-5.131 30.453,-5.107 31.037,-5.107 33.503,-2.642 35.806,-2.642 36.36,-2.087 36.36,-0.952 36.845,-0.468 v1(38.955,-0.468)
NetC131_2: C131.2 U8.33 | length 2.5
  Top Layer w0.254: U8.33@-88.434,-6.455 -88.434,-7.273 v1(-88.392,-7.315)
  Bottom Layer w0.254: v1(-88.392,-7.315) -88.391,-8.542 -88.272,-8.661 C131.2@-88.087,-8.661